# Allegro board RK_NVR_DEMO1_RK3588_LP4XD200P232SD8_V21_20211228_final_lint.brd (continued)
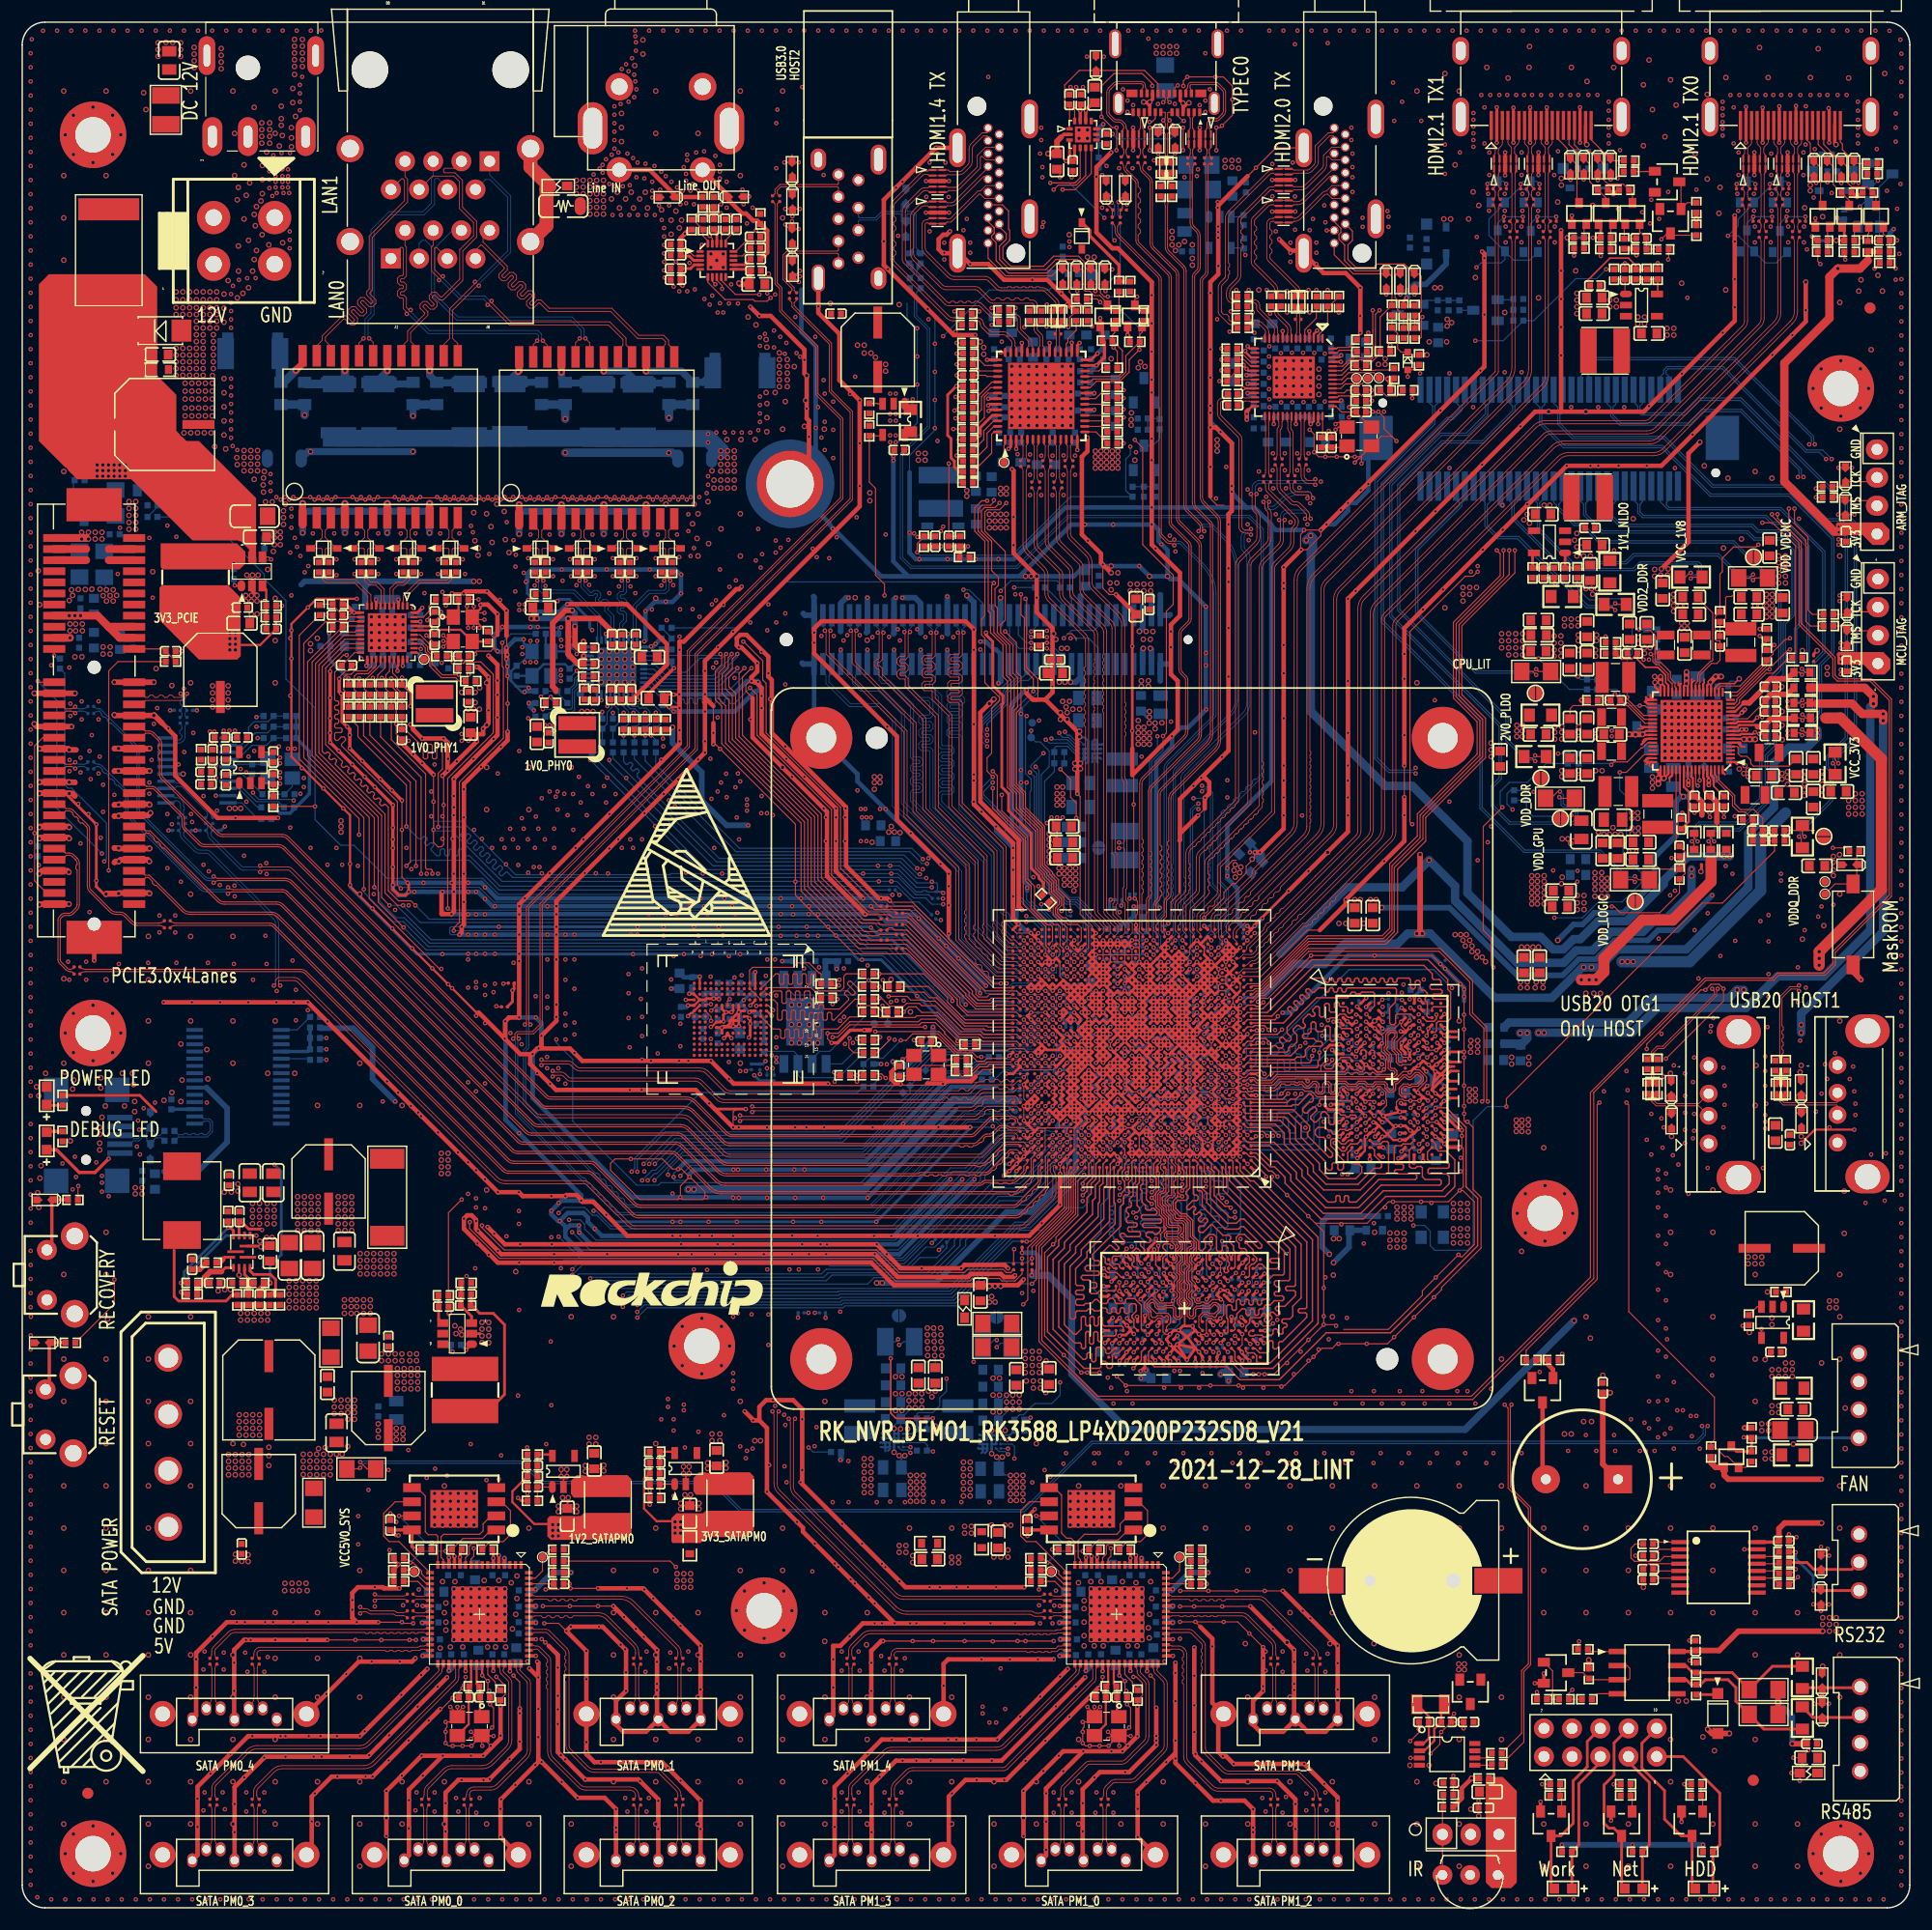
[diagram p0: board, top side]
## Routing (per net, layer and track width the routed paths; a pad name or vN(x,y) marks a point on that pad's centre or on a via; arc(x,y) is an arc through that point) (continued)
DDR_CH0_LP4/4X_CKE0_A: length 0.9
  TOP w0.119: U3800.J4 v1(121.72,76.04)
  BOTTOM w0.127: R3801.2 121.6,75.8 121.6,75.82 121.72,75.94 v1(121.72,76.04)
DDR_CH0_LP4/4X_CKE0_B: length 1.5
  TOP w0.119: U3800.P4 v1(121.72,73.39)
  BOTTOM w0.127: v1(121.72,73.39) 121.6,73.39 121.08,73.91 R3804.2
DDR_CH0_LP4/4X_CKE1/LP5_CS1_A: length 17.3
  TOP w0.127: v1(107.15,74.21) 106.82,74.54 U1000.N7
  BOTTOM w0.089: v1(107.15,74.21) 107.31,74.21 107.64,73.89 110.58,73.89 110.86,74.16
  BOTTOM w0.127: R3802.1 121.81,74.74 118.34,74.74 118.18,74.9 114.83,74.9 114.68,74.74 113.47,74.74 112.89,74.16 112.59,74.16 112.47,74.03 112.47,73.65 112.34,73.53 112.08,73.53 111.96,73.65 111.96,74.03 111.83,74.16 110.86,74.16
DDR_CH0_LP4/4X_CKE1/LP5_CS1_B: length 17.6
  TOP w0.127: U1000.L4 v1(109.1,73.56)
  BOTTOM w0.127: R3805.1 121.69,73.93 121.69,74.11 121.57,74.24 118.03,74.24 117.78,73.98 113.43,73.98 113.08,73.63 113.08,73.02 113.21,72.89 113.84,72.89 113.97,72.76 113.97,72.38 113.84,72.26 111.94,72.26 111.81,72.38 111.81,73.14 111.3,73.65 110.98,73.65 110.89,73.56 v1(109.1,73.56)
DDR_CH0_LP4/4X_CKE1_A: length 0.9
  TOP w0.119: v1(122.52,76.04) 122.22,76.34
  BOTTOM w0.127: R3802.2 122.22,75.74 v1(122.52,76.04)
DDR_CH0_LP4/4X_CKE1_B: length 1.1
  TOP w0.119: v1(122.53,73.4) 122.22,73.09
  BOTTOM w0.127: R3805.2 122.24,73.91 122.53,73.62 v1(122.53,73.4)
DDR_CH0_LP4/4X_CS0_A: length 19
  TOP w0.127: U3800.H4 121.42,77.17 121.56,77.31 121.74,77.31 121.84,77.21 121.84,76.76 v1(121.78,76.69) ; U1000.R6 v1(107.8,75.51)
  L6-S2 w0.089: 110.21,75.82 109.9,75.82 109.88,75.84 109.61,75.84 108.12,75.84 v1(107.8,75.51)
  L6-S2 w0.127: v1(121.78,76.69) 121.75,76.72 121.75,77.37 121.84,77.46 122.02,77.46 122.15,77.34 122.15,75.79 122.02,75.66 110.37,75.66 110.21,75.82
DDR_CH0_LP4/4X_CS0_B: length 21.9
  TOP w0.127: U1000.L7 v1(107.15,72.91) ; v1(121.72,72.14) U3800.R4
  BOTTOM w0.089: 109.29,68.72 108.77,69.25 108.77,70.72 108.12,71.37 108.12,71.75 107.93,71.94 107.66,71.94 107.47,72.13 107.47,72.4 107.15,72.72 v1(107.15,72.91)
  BOTTOM w0.127: v1(121.72,72.14) 121.72,72.14 121.32,71.73 120.86,71.73 120.65,71.53 120.35,71.22 117,71.22 116.89,71.11 116.89,68.45 116.76,68.32 110.54,68.32 110.13,68.72 109.29,68.72
DDR_CH0_LP4/4X_CS1_A: length 22.4
  TOP w0.127: v1(107.15,75.51) 106.82,75.84 U1000.R7 ; v1(120.95,76.66) 121.08,76.8 121.08,77.2 120.95,77.32 120.71,77.32 120.62,77.23 U3800.H3
  BOTTOM w0.089: 110.32,75.21 110.3,75.19 107.61,75.19 107.28,75.51 v1(107.15,75.51)
  BOTTOM w0.127: 110.32,75.21 111.17,76.07 111.17,76.83 111.3,76.95 111.55,76.95 111.68,76.83 111.68,75.94 111.81,75.81 112.06,75.81 112.19,75.94 112.19,76.83 112.32,76.95 113.08,76.95 113.21,77.08 113.21,77.34 113.33,77.46 113.59,77.46 113.71,77.34 113.71,77.08 113.84,76.95 114.09,76.95 114.22,77.08 114.22,77.72 114.35,77.84 114.6,77.84 114.73,77.72 114.73,77.08 114.86,76.95 115.11,76.95 115.24,76.83 115.24,76.04 115.36,75.91 118.01,75.91 118.54,76.45 119.68,76.45 119.76,76.37 120.65,76.37 v1(120.95,76.66)
DDR_CH0_LP4/4X_CS1_B: length 21.3
  TOP w0.127: v1(120.93,72.13) U3800.R3 ; U1000.L8 v1(106.5,72.91)
  BOTTOM w0.089: v1(106.5,72.91) 106.69,72.91 107.01,73.24 107.28,73.24 107.47,73.05 107.47,72.72 107.6,72.59 107.93,72.59 108.77,71.75 108.77,71.23 109.42,70.58 109.42,69.31
  BOTTOM w0.127: v1(120.93,72.13) 120.83,72.13 120.44,71.75 116.81,71.75 116.38,71.32 116.38,68.95 116.25,68.83 110.67,68.83 110.41,69.08 109.65,69.08 109.42,69.31
DDR_CH1_A0_C: length 19.6
  TOP w0.127: U3801.H2 106.68,57.96 106.68,59 107.11,59.43 v1(107.11,59.81) ; U1000.G12 v1(103.9,70.31)
  BOTTOM w0.089: v1(103.9,70.31) 104.07,70.31 104.4,69.99 104.68,69.99 104.87,69.8 104.87,69.53 105.71,68.69 105.98,68.69 106.17,68.5 106.17,67.48
  BOTTOM w0.127: v1(107.11,59.81) 107.08,59.83 106.73,59.83 106.6,59.96 106.6,60.44 107.11,60.95 107.11,61.59 107.36,61.84 107.74,61.84 107.87,61.97 107.87,62.22 107.74,62.35 107.24,62.35 107.11,62.48 107.11,63.75 106.98,63.87 106.6,63.87 106.47,64 106.47,64.25 106.6,64.38 106.98,64.38 107.11,64.51 107.11,64.89 107.24,65.02 108,65.02 108.13,65.14 108.13,65.4 108,65.52 107.36,65.52 107.24,65.65 107.24,66.41 106.17,67.48
DDR_CH1_A0_D: length 23.1
  TOP w0.127: U3801.R2 102.13,57.96 102.13,58.95 102.39,59.2 102.39,59.61 102.36,59.63 v1(102.36,59.68) ; U1000.H15 v1(101.3,70.96)
  BOTTOM w0.089: v1(101.3,70.96) 101.3,70.79 100.97,70.46 100.97,70.16 100.66,69.84
  BOTTOM w0.127: v1(102.36,59.68) 102.39,59.68 102.61,59.91 102.61,60.62 102.41,60.83 101.27,60.83 101.09,61 100.11,61 99.99,61.13 99.99,61.35 100.15,61.51 100.15,61.79 100.02,61.92 99.49,61.92 99.36,62.04 99.36,62.86 99.74,63.24 99.74,63.62 99.87,63.75 100.63,63.75 100.76,63.87 100.76,64.33 100.87,64.44 101.28,64.44 101.39,64.56 101.39,64.71 101.28,64.83 100.87,64.83 100.76,64.94 100.76,65.09 100.87,65.21 101.28,65.21 101.39,65.32 101.39,65.48 101.28,65.59 100.87,65.59 100.76,65.7 100.76,65.86 100.87,65.97 101.28,65.97 101.39,66.08 101.39,66.24 101.28,66.35 100.62,66.35 100.51,66.46 100.51,66.62 100.62,66.73 101.28,66.73 101.39,66.84 101.39,67 101.28,67.11 100.87,67.11 100.66,67.32 100.66,69.84
DDR_CH1_A1_C: length 19.1
  TOP w0.127: v1(103.9,69.66) 103.57,69.99 U1000.F12 ; U3801.J2 105.97,57.26 v1(105.95,57.26)
  BOTTOM w0.089: 105.73,67.29 105.52,67.49 105.52,68.5 104.68,69.34 103.99,69.34 103.9,69.43 v1(103.9,69.66)
  BOTTOM w0.127: v1(105.95,57.26) 105.95,57.16 106.07,57.03 106.21,57.03 106.33,57.16 106.33,59.19 106.09,59.43 106.09,61.29 106.21,61.4 106.49,61.4 106.6,61.51 106.6,61.67 106.49,61.78 106.21,61.78 106.09,61.89 106.09,62.05 106.21,62.16 106.49,62.16 106.6,62.27 106.6,62.43 106.49,62.54 106.21,62.54 106.09,62.66 106.09,62.81 106.21,62.92 106.49,62.92 106.6,63.04 106.6,63.19 106.49,63.31 106.21,63.31 106.09,63.42 106.09,65.78 106.22,65.91 106.75,65.91 106.88,66.03 106.88,66.29 106.75,66.41 106.22,66.41 106.09,66.54 106.09,66.92 105.73,67.29
DDR_CH1_A1_D: length 22.1
  TOP w0.127: U1000.G14 v1(102.6,70.31) ; v1(103.55,59.56) 103.55,59.69 103.4,59.84 102.92,59.84 102.77,59.69 102.77,59.5 103.1,59.17 103.1,58.89 102.78,58.58 102.78,57.76 102.91,57.64 103.1,57.64 U3801.P2
  L6-S2 w0.089: 102.27,67.44 102.27,67.85 102.27,70.47 102.41,70.6 102.54,70.6 102.6,70.54 v1(102.6,70.31)
  L6-S2 w0.127: v1(103.55,59.56) 103.68,59.68 103.68,60.02 103.57,60.13 103.54,60.13 103.43,60.24 103.43,60.4 103.54,60.51 103.57,60.51 103.68,60.62 103.68,60.78 103.57,60.89 103.54,60.89 103.43,61 103.43,61.16 103.54,61.27 103.57,61.27 103.68,61.39 103.68,61.54 103.57,61.66 103.54,61.66 103.43,61.77 103.43,61.92 103.54,62.04 103.57,62.04 103.68,62.15 103.68,62.31 103.57,62.42 103.54,62.42 103.43,62.53 103.43,62.69 103.54,62.8 103.57,62.8 103.68,62.91 103.68,63.36 103.17,63.87 103.17,64.58 103.06,64.69 102.78,64.69 102.66,64.8 102.66,64.96 102.78,65.07 103.06,65.07 103.17,65.18 103.17,65.34 103.06,65.45 102.4,65.45 102.28,65.56 102.28,65.72 102.4,65.83 103.05,65.83 103.17,65.96 103.17,66.16 103.07,66.26 103.07,66.44 103.17,66.54 103.17,66.77 102.93,67.01 102.75,67.01 102.41,66.67 102.16,66.67 101.93,66.44 101.65,66.44 101.52,66.57 101.52,67.05 101.65,67.18 102.16,67.18 102.28,67.3 102.28,67.43 102.27,67.44
DDR_CH1_A2_C: length 20.6
  TOP w0.127: U1000.E13 102.92,69.34 v1(103.25,69.01) ; U3801.H9 107.07,51.97 107.07,51.79 107.2,51.66 v1(107.38,51.66)
  L6-S2 w0.089: 104.62,67.2 104.43,67.39 104.41,67.39 104.22,67.58 104.22,67.6 104.22,67.6 104.22,68.54 104.07,68.69 103.57,68.69 v1(103.25,69.01)
  L6-S2 w0.127: v1(107.38,51.66) 107.2,51.66 107.07,51.79 107.07,51.97 106.35,52.69 106.35,55.56 106.33,55.57 106.33,55.86 106.31,55.88 106.31,56.7 106.35,56.73 106.35,64.36 106.09,64.61 106.09,65.73 104.62,67.2
DDR_CH1_A2_D: length 21.4
  TOP w0.127: v1(102.23,51.7) 102.45,51.93 U3801.R9 ; U1000.G13 v1(103.25,70.31)
  L6-S2 w0.089: v1(103.25,70.31) 102.92,69.99 102.92,67.55 103.24,67.24
  L6-S2 w0.127: 103.24,67.24 103.55,66.92 103.55,64.03 104.06,63.52 104.06,58.79 104.32,58.54 104.32,53.21 102.81,51.7 v1(102.23,51.7)
DDR_CH1_A3_C: length 19.8
  TOP w0.127: U3801.H10 v1(106.71,50.94) ; U1000.D13 102.92,68.69 v1(103.25,68.36)
  L6-S2 w0.089: v1(103.25,68.36) 103.25,68.34 103.57,68.01 103.57,67.54 103.91,67.2
  L6-S2 w0.127: 103.91,67.2 105.61,65.5 105.61,59.2 105.59,59.17 105.59,52.82 106.37,52.04 106.37,51.27 v1(106.71,50.94)
DDR_CH1_A3_D: length 21.1
  TOP w0.127: v1(102.6,69.01) 102.27,69.34 U1000.E14 ; v1(102.69,50.89) 102.69,51 U3801.R10
  BOTTOM w0.089: 103.08,67.39 102.92,67.55 102.92,68.23 102.92,68.69 v1(102.6,69.01)
  BOTTOM w0.127: 103.08,67.39 103.68,66.79 103.68,64.25 104.44,63.49 104.44,62.22 104.14,61.92 104.14,60.09 104.44,59.78 104.44,58.41 104.32,58.29 104.32,52.7 103.78,52.16 103.3,52.16 102.69,51.55 v1(102.69,50.89)
DDR_CH1_A4_C: length 19.1
  TOP w0.127: v1(104.52,64.66) 104.92,65.06 104.92,66.69 104.87,66.74 U1000.A10 ; U3801.H11 v1(107.33,50.11)
  L6-S2 w0.127: v1(107.33,50.11) 106.9,50.54 105.92,50.54 105.08,51.38 105.08,59.78 105.23,59.94 105.23,63.94 v1(104.52,64.66)
DDR_CH1_A4_D: length 19.7
  TOP w0.127: v1(101.78,65.52) 101.62,65.68 U1000.A15 ; v1(102.15,50.11) 102.15,50.14 U3801.R11
  L6-S2 w0.127: v1(102.15,50.11) 102.15,50.14 101.78,50.52 101.78,51.81 102.08,52.11 102.64,52.11 103.17,52.65 103.17,54.73 103.93,55.49 103.93,57.27 103.55,57.65 103.3,57.65 103.05,57.9 103.05,58.16 103.17,58.29 103.17,59.94 103.05,60.06 103.05,63.37 102.79,63.62 102.79,64.13 102.16,64.76 102.16,65.17 101.8,65.52 v1(101.78,65.52)
DDR_CH1_A5_C: length 20.2
  TOP w0.127: v1(104.52,65.72) 104.52,65.77 104.67,65.93 104.67,66.49 104.54,66.61 104.54,67.07 104.22,67.39 U1000.B11 ; U3801.J11 v1(106.68,50.11)
  L6-S2 w0.127: v1(106.68,50.11) 106.33,49.77 105.89,49.77 104.7,50.96 104.7,60.09 104.85,60.24 104.85,63.27 104.17,63.95 104.17,65.38 v1(104.52,65.72)
DDR_CH1_A5_D: length 21.6
  TOP w0.127: v1(101.78,64.51) 102.18,64.91 102.18,65.76 101.95,65.98 101.95,67.06 102.27,67.39 U1000.B14 ; U3801.P11 v1(102.81,50.14)
  L6-S2 w0.127: v1(101.78,64.51) 102.16,64.13 102.16,63.72 102.66,63.21 102.66,59.89 102.78,59.77 102.78,59.59 102.18,59 102.18,58.36 102.63,57.92 102.63,57.74 102.51,57.62 102.51,56.89 102.39,56.76 102.03,56.76 101.78,56.51 101.78,53.23 101.37,52.82 101.27,52.82 101.04,52.6 101.04,51.4 101.39,51.05 101.39,50.33 101.98,49.75 102.42,49.75 v1(102.81,50.14)
DDR_CH1_CLKN_C: length 23.8
  TOP w0.102: U1000.A12 103.55,66.72 103.55,64.23 103.53,64.2 103.28,64.2 102.98,63.9 102.98,63.53 103.3,63.21 103.3,62.79 103.69,62.4 103.69,62.16 103.91,61.94 104.59,61.94 104.85,61.68 104.85,60.14 105.07,59.92 105.28,59.92 105.37,59.82 105.37,59.7 105.29,59.61 105.18,59.61 104.97,59.4 104.97,58.14 105.2,57.92 105.2,57.71 104.92,57.43 104.92,56.5 105.2,56.23 105.2,55.73 104.92,55.46 104.92,54.95 105.23,54.64 105.23,54.41 104.97,54.15 104.97,53.35 105.19,53.13 105.5,53.13 105.73,53.35 105.73,53.89 105.88,54.04 107.07,54.04 107.38,54.35 107.52,54.35 107.8,54.07 107.8,53.93 107.43,53.56 106.98,53.56 106.83,53.71 106.42,53.71 106.02,53.31 106.02,52.37 U3801.J9
DDR_CH1_CLKN_D: length 26.5
  TOP w0.102: U3801.P9 103.1,52.37 103.45,52.72 103.45,53.37 103.23,53.59 102.18,53.59 101.54,54.22 101.54,54.38 101.73,54.57 101.87,54.57 102.06,54.38 102.06,54.19 102.28,53.97 102.92,53.97 103.05,54.09 103.63,54.09 103.73,53.99 103.73,53.31 103.98,53.06 104.29,53.06 104.52,53.28 104.52,54.31 104.26,54.56 104.26,54.72 104.52,54.97 104.52,55.48 104.26,55.73 104.26,56.34 104.52,56.6 104.52,57.08 104.26,57.33 104.26,57.94 104.56,58.25 104.56,58.75 104.32,59 104.32,59.14 104.56,59.39 104.56,59.85 104.44,59.97 104.44,60.16 104.12,60.48 103.21,60.48 103.12,60.57 103.12,60.7 103.21,60.79 104.2,60.79 104.42,61 104.42,61.32 104.2,61.54 103.38,61.54 103.28,61.64 103.28,62.23 102.87,62.65 102.87,63.06 102.53,63.39 102.53,64.26 102.66,64.39 102.83,64.39 103.05,64.61 103.05,66.61 U1000.A13
DDR_CH1_CLKP_C: length 24.5
  TOP w0.102: U1000.B12 103.57,67.17 103.91,66.84 103.91,66.35 103.76,66.2 103.76,66.05 103.83,65.97 103.91,65.9 103.91,65.6 103.76,65.45 103.76,65.14 103.9,65 103.9,64.86 103.76,64.71 103.76,64.51 103.87,64.4 103.87,64.25 103.61,64 103.36,64 103.18,63.82 103.18,63.61 103.5,63.29 103.5,62.87 103.89,62.49 103.89,62.25 103.99,62.15 104.67,62.15 105.05,61.76 105.05,60.22 105.15,60.12 105.36,60.12 105.58,59.91 105.58,59.61 105.37,59.41 105.26,59.41 105.17,59.32 105.17,59.17 105.33,59.01 105.33,58.82 105.17,58.66 105.17,58.23 105.4,58 105.4,57.62 105.12,57.35 105.12,56.59 105.4,56.31 105.4,55.65 105.12,55.37 105.12,55.03 105.43,54.72 105.43,54.32 105.17,54.06 105.17,53.43 105.28,53.33 105.42,53.33 105.52,53.43 105.52,53.97 105.79,54.25 106.14,54.25 106.19,54.29 106.5,54.29 106.55,54.25 106.98,54.25 107.29,54.56 107.61,54.56 107.72,54.45 107.81,54.45 107.91,54.35 107.91,54.26 108.01,54.16 108.01,53.85 107.62,53.46 107.62,53.33 107.51,53.23 107.37,53.23 107.24,53.36 106.9,53.36 106.75,53.51 106.5,53.51 106.22,53.23 106.22,52.94 106.32,52.84 U3801.J8
DDR_CH1_CLKP_D: length 27.5
  TOP w0.102: U3801.P8 103.25,52.98 103.25,53.28 103.16,53.37 103.06,53.37 102.92,53.23 102.82,53.23 102.66,53.38 102.28,53.38 102.12,53.22 101.84,53.22 101.71,53.35 101.71,53.77 101.34,54.14 101.34,54.47 101.73,54.86 101.87,54.86 102.27,54.47 102.27,54.27 102.37,54.17 102.83,54.17 102.96,54.3 103.71,54.3 103.93,54.08 103.93,53.39 104.07,53.26 104.21,53.26 104.31,53.36 104.31,54.22 104.06,54.47 104.06,54.81 104.31,55.06 104.31,55.39 104.06,55.65 104.06,56.42 104.31,56.68 104.31,56.99 104.06,57.25 104.06,58.02 104.36,58.33 104.36,58.67 104.11,58.92 104.11,59.23 104.36,59.47 104.36,59.76 104.24,59.89 104.24,60.08 104.04,60.28 103.12,60.28 102.91,60.49 102.91,60.78 103.12,60.99 104.12,60.99 104.21,61.09 104.21,61.23 104.11,61.33 103.3,61.33 103.08,61.55 103.08,62.15 102.67,62.56 102.67,62.98 102.33,63.31 102.33,64.34 102.58,64.59 102.74,64.59 102.84,64.69 102.84,65.02 102.66,65.2 102.66,65.34 102.84,65.52 102.84,65.73 102.67,65.9 102.67,66.04 102.84,66.21 102.84,66.36 102.58,66.62 102.58,66.92 102.71,67.05 102.91,67.05 103.02,67.15 103.02,67.29 U1000.B13
DDR_CH1_DM0_C: length 17.5
  TOP w0.127: U3801.C3 110.45,56.84 110.58,56.96 110.58,57.82 110.79,58.03 110.95,58.03 111.22,58.31 111.22,58.56 110.92,58.87 110.92,59.3 110.28,59.94 v1(110.28,60.01) ; U1000.F8 v1(106.5,69.66)
  L6-S2 w0.089: v1(106.5,69.66) 106.17,69.33 105.98,69.33 105.98,69.34 105.71,69.34 105.71,69.33 105.59,69.33 105.46,69.21 105.46,67.89 105.51,67.84 105.51,67.25
  L6-S2 w0.127: 105.51,67.25 107.81,64.95 108.57,64.95 110.28,63.24 v1(110.28,60.01)
DDR_CH1_DM0_D: length 14.7
  TOP w0.127: v1(97.45,57.64) 97.81,57.27 98.6,57.27 99.03,56.84 U3801.Y3 ; U1000.D20 98.37,68.69 v1(98.7,69.01)
  L6-S2 w0.089: 99.02,66.83 99.02,68.02 98.85,68.19 98.85,68.85 v1(98.7,69.01)
  L6-S2 w0.127: 99.02,66.83 98.35,66.16 98.35,65.14 97.58,64.38 97.58,57.78 v1(97.45,57.64)
DDR_CH1_DM1_C: length 21.8
  TOP w0.127: v1(108.45,68.36) 108.77,68.69 U1000.D4 ; U3801.C10 v1(110.66,50.83)
  L6-S2 w0.089: 110.65,65.92 110.03,66.54 110.03,66.67 109.4,67.3 108.89,67.3 108.76,67.43 108.76,67.57 108.77,67.58 108.77,67.85 108.76,67.86 108.76,68.05 v1(108.45,68.36)
  L6-S2 w0.127: v1(110.66,50.83) 110.66,50.91 111.17,51.43 111.17,51.81 113.08,53.71 113.08,54.48 113.03,54.52 113.03,63.54 110.65,65.92
DDR_CH1_DM1_D: length 21
  TOP w0.127: U3801.Y10 v1(98.85,50.89) ; U1000.D22 97.07,68.69 v1(97.4,68.36)
  L6-S2 w0.089: 96.8,66.9 97.08,67.17 97.08,67.57 97.07,67.58 97.07,67.85 97.08,67.85 97.08,68.04 v1(97.4,68.36)
  L6-S2 w0.127: 96.8,66.9 96.7,66.79 96.7,65.98 96.06,65.35 96.06,63.62 95.72,63.28 95.72,53.04 97.33,51.43 98.31,51.43 v1(98.85,50.89)
DDR_CH1_DQ0_C: length 17.3
  TOP w0.127: U1000.A8 106.27,66.64 106.27,64.9 106.73,64.43 106.73,63.57 108.58,61.71 109.4,61.71 109.78,62.1 110.08,62.1 113.21,58.97 113.21,58.64 113.09,58.53 112.56,58.53 112.44,58.42 112.44,58.26 112.56,58.15 113.09,58.15 113.21,58.04 113.21,57.78 113.03,57.6 112.11,57.6 111.68,58.03 111.43,58.03 111.03,57.64 U3801.B2
DDR_CH1_DQ0_D: length 18.7
  TOP w0.127: U1000.A17 100.32,66.74 100.32,65.44 100.1,65.22 100.1,64.22 99.77,63.9 99.77,63.72 99.94,63.55 99.94,63.26 99.81,63.14 99.6,63.14 99.49,63.03 99.49,62.76 99.7,62.54 99.7,62.36 99.49,62.15 99.49,61.87 99.6,61.75 100.34,61.75 100.45,61.64 100.45,61.49 100.34,61.37 99.73,61.37 99.62,61.26 99.62,61.08 99.74,60.95 100.63,60.95 100.76,60.83 100.76,60.62 100.63,60.49 99.57,60.49 99.25,60.81 99.07,60.81 98.93,60.67 98.93,60.51 99.33,60.11 99.33,59.95 99.22,59.84 99.06,59.84 98.66,60.24 98.5,60.24 98.39,60.13 98.39,59.97 98.79,59.57 98.79,59.41 98.68,59.3 98.53,59.3 98.12,59.7 97.96,59.7 97.29,59.04 97.29,58.86 97.58,58.56 97.58,58.16 97.71,58.03 97.97,58.03 98.36,57.64 U3801.AA2
DDR_CH1_DQ1_C: length 18.6
  TOP w0.127: U1000.B9 105.72,67.39 105.92,67.18 105.92,67 105.85,66.92 105.85,66.24 105.88,66.21 105.88,64.72 105.97,64.64 106.19,64.64 106.32,64.51 106.32,63.24 108.38,61.18 109.58,61.18 109.8,61.4 110.05,61.4 111.7,59.75 111.7,59.57 111.57,59.45 111.39,59.45 110.13,60.71 109.66,60.71 109.4,60.44 109.4,60.13 109.65,59.88 109.65,59.56 109.78,59.43 110.16,59.43 110.32,59.27 110.32,58.89 110.41,58.79 110.45,58.79 110.58,58.67 110.58,58.2 110.25,57.87 U3801.C2
DDR_CH1_DQ1_D: length 16.5
  TOP w0.127: v1(100.12,62.68) 100.45,62.68 100.67,62.9 100.67,63.1 100.45,63.32 100.45,65.16 100.65,65.37 100.65,67.07 100.97,67.39 U1000.B16 ; U3801.Y2 99,57.64 98.88,57.76 98.88,57.9 98.75,58.03 98.35,58.03 98.22,58.16 98.22,58.63 98.35,58.75 98.94,58.75 99.07,58.88 99.07,58.96 v1(99.51,59.41)
  L6-S2 w0.127: v1(99.51,59.41) 99.51,59.27 99.42,59.17 99.24,59.17 99.11,59.3 99.11,59.73 99.22,59.85 99.42,59.85 99.53,59.96 99.53,60.12 99.42,60.23 99.22,60.23 99.11,60.34 99.11,60.5 99.22,60.61 99.42,60.61 99.53,60.72 99.53,60.88 99.42,60.99 99.22,60.99 99.11,61.1 99.11,61.26 99.22,61.37 99.42,61.37 99.53,61.48 99.53,61.64 99.42,61.75 99.22,61.75 99.11,61.86 99.11,62.07 99.24,62.2 99.59,62.2 99.72,62.32 99.72,62.5 99.57,62.65 99.57,62.85 99.87,63.16 100.05,63.16 100.24,62.97 100.24,62.79 v1(100.12,62.68)
DDR_CH1_DQ2_C: length 17.4
  TOP w0.127: U3801.E2 109.15,57.64 109.28,57.76 109.28,59.17 109.14,59.3 109.14,59.67 108.78,60.03 108.78,60.21 108.89,60.32 108.89,60.5 108.76,60.63 108.18,60.63 107.25,61.55 107.07,61.55 106.41,60.89 106.12,60.89 105.99,61.01 105.99,61.33 106.12,61.46 106.41,61.46 106.8,61.86 106.8,62.04 106.69,62.15 106.53,62.15 106.25,61.86 106.09,61.86 105.98,61.97 105.98,62.13 106.26,62.42 106.26,62.58 106.15,62.69 106,62.69 105.81,62.5 105.65,62.5 105.54,62.61 105.54,62.77 105.73,62.96 105.73,63.11 105.61,63.23 105.46,63.23 105.17,62.94 105.02,62.94 104.92,63.03 104.92,63.21 105.46,63.75 105.81,63.75 105.94,63.87 105.94,64.13 105.82,64.25 105.65,64.25 105.52,64.38 105.52,66.74 U1000.A9
DDR_CH1_DQ2_D: length 21.2
  TOP w0.127: U1000.A16 100.97,66.74 100.97,65.28 100.76,65.07 100.76,64.76 100.89,64.64 100.89,63.63 101.21,63.31 101.21,63.04 101.33,62.91 101.65,62.91 101.79,63.06 101.97,63.06 102.25,62.78 102.25,62.6 102.12,62.48 100.97,62.48 100.84,62.35 100.84,62.2 100.94,62.1 102.54,62.1 102.66,61.98 102.66,61.84 102.53,61.71 101.06,61.71 100.96,61.61 100.96,61.43 101.06,61.33 102.43,61.33 102.56,61.21 102.56,61.03 102.25,60.71 102.07,60.71 101.85,60.92 101.42,60.92 101.27,60.77 101.27,60.57 101.39,60.44 101.52,60.44 101.69,60.28 101.69,60.1 101.56,59.97 101.23,59.97 101.15,60.05 100.89,60.05 100.76,59.92 100.76,59.71 101.14,59.33 101.14,59.05 101.04,58.95 100.86,58.95 100.76,59.05 100.76,59.17 100.51,59.43 100.33,59.43 100.07,59.17 100.05,59.17 99.92,59.05 99.92,58.87 100.18,58.62 100.18,58.26 100.02,58.1 100.02,57.92 100.17,57.77 100.38,57.77 100.5,57.64 U3801.V2
DDR_CH1_DQ3_C: length 19.3
  TOP w0.127: U1000.B10 105.07,67.39 105.2,67.26 105.2,64.89 104.86,64.54 104.86,64.35 105.05,64.15 105.05,63.97 104.86,63.78 104.14,63.78 103.92,63.56 103.92,63.05 104.41,62.57 104.86,62.57 105.47,61.96 105.47,60.61 106,60.07 106,59.38 106.15,59.24 106.33,59.24 106.6,59.51 106.6,59.94 106.48,60.06 106.48,60.28 106.6,60.41 106.67,60.41 106.97,60.71 107.35,60.71 107.62,60.44 107.62,59.3 107.74,59.17 108,59.17 108.13,59.3 108.13,59.57 108.25,59.69 108.43,59.69 108.63,59.49 108.63,59.17 108.47,59.01 108.47,58.83 108.63,58.66 108.63,58.29 108.76,58.15 108.76,57.91 108.6,57.75 108.6,57.53 108.69,57.45 108.69,57.37 108.57,57.26 108.39,57.26 108.3,57.35 U3801.F2
DDR_CH1_DQ3_D: length 16.3
  TOP w0.127: U1000.B15 101.6,67.36 101.4,67.36 101.2,67.16 101.2,66.98 101.29,66.9 101.29,63.85 101.52,63.62 101.61,63.62 v1(101.78,63.46) ; v1(101.5,57.29) U3801.U2
  L6-S2 w0.127: v1(101.78,63.46) 101.78,63.27 101.9,63.14 102.19,63.14 102.28,63.05 102.28,62.86 102.17,62.75 101.6,62.75 101.49,62.63 101.49,62.48 101.6,62.36 102.17,62.36 102.28,62.25 102.28,62.09 102.17,61.98 101.6,61.98 101.49,61.87 101.49,61.71 101.6,61.6 102.17,61.6 102.28,61.49 102.28,61.31 102.16,61.18 101.63,61.18 101.49,61.05 101.49,60.75 101.6,60.64 101.68,60.64 101.79,60.53 101.79,60.37 101.68,60.26 101.6,60.26 101.49,60.15 101.49,59.99 101.6,59.88 101.68,59.88 101.79,59.77 101.79,59.61 101.68,59.5 101.6,59.5 101.49,59.39 101.49,59.17 101.61,59.05 101.78,59.05 101.88,58.95 101.88,58.77 101.78,58.67 101.65,58.67 101.55,58.56 101.55,58.44 101.88,58.11 101.88,57.68 v1(101.5,57.29)
DDR_CH1_DQ4_C: length 12.5
  TOP w0.127: U1000.A6 107.47,66.74 107.81,66.4 107.81,64.31 v1(108.12,64) ; U3801.F4 v1(107.92,56.42)
  L6-S2 w0.127: v1(107.92,56.42) 107.58,56.76 107.11,56.76 106.73,57.14 106.73,62.6 v1(108.12,64)
DDR_CH1_DQ4_D: length 14.5
  TOP w0.127: U3801.U4 v1(100.78,56.41) ; U1000.A19 98.72,66.44 98.72,65.52 v1(98.88,65.37)
  L6-S2 w0.127: v1(98.88,65.37) 99.01,65.37 99.36,65.02 99.36,63.73 98.35,62.71 98.35,56.89 98.49,56.75 98.49,56.23 98.69,56.02 100.4,56.02 v1(100.78,56.41)
DDR_CH1_DQ5_C: length 14.8
  TOP w0.127: v1(108.89,63.11) 108.76,63.24 108.37,63.24 107.4,64.21 107.4,66.34 107.16,66.59 107.16,67.05 106.82,67.39 U1000.B7 ; U3801.E4 v1(109.26,55.73)
  L6-S2 w0.127: v1(108.89,63.11) 107.62,61.84 107.62,57.78 107.74,57.65 108.13,57.65 108.28,57.5 108.28,56.35 108.56,56.08 108.92,56.08 v1(109.26,55.73)
DDR_CH1_DQ5_D: length 16.1
  TOP w0.127: U3801.V4 v1(100.13,55.66) ; U1000.B18 99.67,67.39 99.35,67.06 99.35,66.6 99.11,66.36 99.11,65.7 99.33,65.48 99.33,64.71 v1(98.9,64.28)
  L6-S2 w0.127: v1(98.9,64.28) 98.24,64.28 97.97,64 97.97,56.89 97.79,56.71 97.79,56.3 98.22,55.87 98.22,55.62 98.6,55.24 99.7,55.24 v1(100.13,55.66)
DDR_CH1_DQ6_C: length 14.3
  TOP w0.127: v1(110.51,56.38) 110.51,56.29 U3801.C4 ; U1000.A7 106.82,66.57 107.05,66.34 107.05,63.99 108.81,62.22 v1(109.27,62.22)
  L6-S2 w0.127: v1(110.51,56.38) 110.13,56 109.65,56 108.63,57.02 108.63,57.9 108.51,58.03 108.51,61.46 v1(109.27,62.22)
DDR_CH1_DQ6_D: length 14.1
  TOP w0.127: U3801.Y4 99.2,56.09 v1(99.49,56.38) ; U1000.A18 99.67,66.37 v1(99.54,66.23)
  L6-S2 w0.089: v1(99.54,66.23) 99.54,66.45 99.45,66.54 99.11,66.54 98.73,66.16 98.73,65.91 98.85,65.78 99.03,65.78 99.49,65.32
  L6-S2 w0.127: 99.49,65.32 99.74,65.07 99.74,64.64 99.87,64.51 100,64.51 100.12,64.38 100.12,64.13 100,64 99.87,64 99.74,63.87 99.74,63.57 99.17,63 99.17,62.82 99.05,62.69 98.87,62.69 98.73,62.55 98.73,58.67 99.03,58.36 99.03,58.06 98.73,57.75 98.73,57.14 v1(99.49,56.38)
DDR_CH1_DQ7_C: length 15.5
  TOP w0.127: U1000.B8 106.5,67.06 106.5,66.33 106.65,66.18 v1(106.65,65.52) ; U3801.B4 v1(111.21,56.34)
  L6-S2 w0.127: v1(106.65,65.52) 106.68,65.52 107.67,64.53 108.23,64.53 109.9,62.86 109.9,62.1 109.4,61.59 109.4,58.67 109.01,58.29 109.01,57.02 109.27,56.76 110.67,56.76 111.09,56.34 v1(111.21,56.34)
DDR_CH1_DQ7_D: length 22.5
  TOP w0.127: U1000.B17 100.12,67.39 99.99,67.26 99.99,65.67 99.69,65.37 99.69,64.69 99.74,64.63 99.74,64.38 99.62,64.25 99.36,64.25 99.24,64.13 99.24,63.97 99.22,63.95 99.22,63.49 98.98,63.25 98.98,61.44 96.44,58.9 96.44,58.54 96.64,58.34 96.97,58.34 97.1,58.21 97.1,58.03 96.97,57.9 95.93,57.9 95.76,57.74 95.76,57.56 95.93,57.4 96.95,57.4 97.05,57.3 97.05,57.12 96.95,57.02 95.55,57.02 95.43,56.89 95.43,56.76 95.58,56.6 96.09,56.6 96.31,56.38 96.7,56.38 96.82,56.25 96.82,56 96.7,55.87 96.31,55.87 96.19,55.75 96.19,55.49 96.31,55.36 96.82,55.36 97.08,55.62 98.42,55.62 98.55,55.75 U3801.AA4
DDR_CH1_DQ8_C: length 25.3
  TOP w0.127: U3801.B11 111.09,50.44 111.5,50.03 112.19,50.03 112.32,50.16 112.32,51.02 112.42,51.12 112.6,51.12 112.7,51.02 112.7,50.51 112.82,50.38 113.01,50.38 113.21,50.58 113.21,50.92 113.33,51.05 113.55,51.05 115.75,53.25 115.75,53.52 115.63,53.63 115.1,53.63 114.98,53.75 114.98,53.9 115.1,54.02 115.63,54.02 115.75,54.13 115.75,60.02 109.42,66.35 U1000.A3
DDR_CH1_DQ8_D: length 26
  TOP w0.127: U1000.A22 97.07,65.52 96.7,65.14 96.7,64 96.44,63.75 96.44,62.52 93.9,59.98 93.9,59.47 92.89,58.46 92.89,52.15 95.6,49.44 95.78,49.44 95.93,49.59 95.93,49.93 96.05,50.04 96.22,50.04 96.35,49.91 96.35,49.34 96.46,49.22 96.62,49.22 96.74,49.35 96.74,50.41 96.87,50.54 97.38,50.54 97.62,50.3 97.62,50.08 97.75,49.95 97.94,49.95 98.42,50.44 U3801.AA11
